# Altium PCB PCB.PcbDoc (part 1 of 4) (continued)
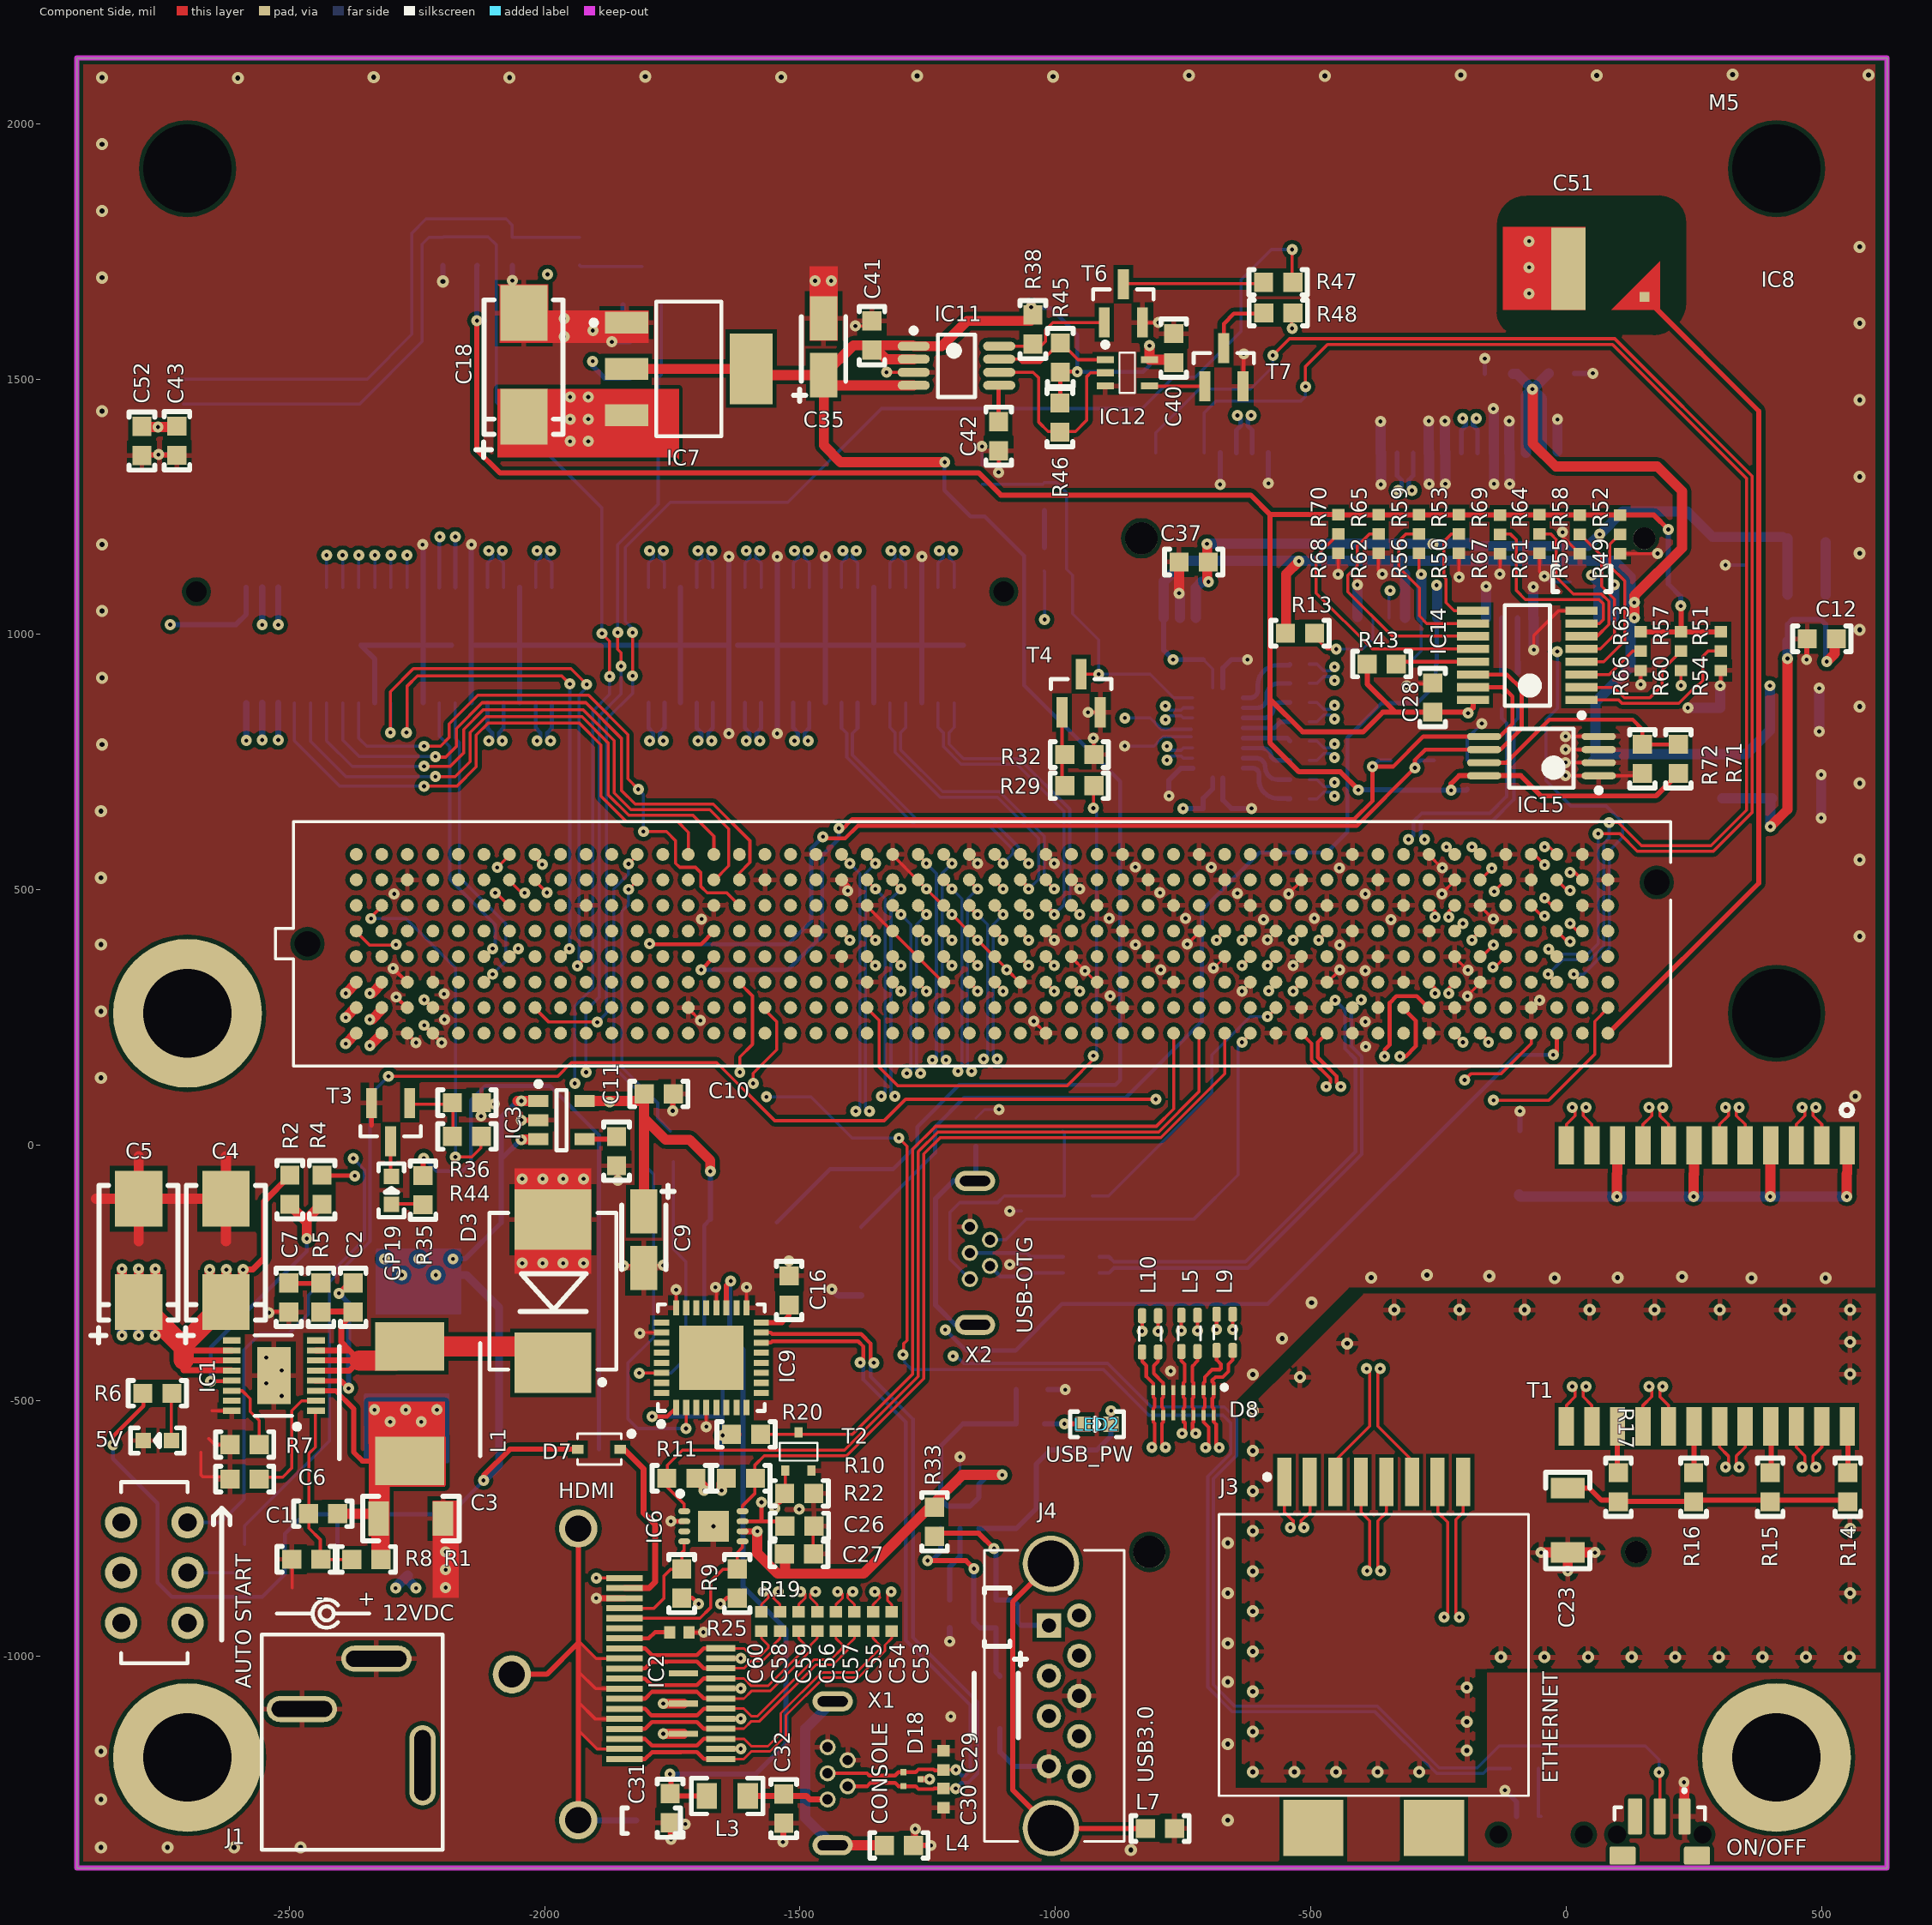
[diagram p0: Component Side view]
## Components (designator, comment, footprint, x,y, rotation, side; value= is the part's Value field where it differs from the comment) (continued)
HDMI "Molex-04765-1000" CON-Molex-04765-1000 -1953.78,-1035.67 r270 top
IC1 "LT3976EMSE#PBF" LT3976EMSE -2529.72,-450.79 r180 top
IC2 "TPD8S009" SON-15 -1691.55,-1092.84 r270 top
IC3 "LP2992AIM5-1.8" SOT23-5N -1966.73,49.21 r0 top
IC4 "LM3671MF-1.5" SOT23-5N 470.28,1032.48 r90 bottom
IC5 "AP1117E33G-13" SOT223 179.13,768.11 r270 bottom
IC6 "PCA9517ATP" PCA9517ATP -1669.55,-745.84 r270 top
IC7 "AP1117E33G-13" SOT223 -1717.64,1519.84 r270 top
IC8 "SEAM-50-02.0-S-08-2-A-K-TR" Nvidia-TX1-SoM 411.22,259.45 r0 top locked
IC9 "FT232RQ" QFN-32 -1673.55,-415.84 r90 top
IC10 "NCP380HSNAJAAT1G" TSOP-6 -1187.2,-706.69 r270 bottom
IC11 "LM3881" MSOP-8 -1193.89,1525.95 r0 top
IC12 "SN74LVC1G86DCKR" SC70-5 -902.55,1537.76 r0 top
IC13 "CBTL02042ABQ" DHVQFN20 -682.28,805.91 r180 bottom
IC14 "TCA9554ADBQR" DBQ0016A -76.38,959.06 r180 top
IC15 "RM24C128DS-LTAI-B" TSSOP-8 -48.82,761.81 r180 top
J1 "WE_694106402002" WE_694106402002 -2553.78,-957.8 r180 top
J2 "QSE-040-01-L-D-A" QSE-040-01-L-D-A -1891.3,978.9 r0 bottom locked
J3 "WE_634108149621" WE_634108149621 -552.16,-659.08 r0 top
J4 "WE_692121430000" WE_692121430000 -953.78,-1077.8 r270 top
J5 "Molex_67910-5700" T_Molex_67910-5700 -831.89,1188.19 r180 bottom
J6 "653104131822" WE_653104131822 -2801.95,1426.05 r270 bottom
L1 "IHLP2525CZER3R3M01" IHLP-2525CZ-01 -2263.78,-505.71 r270 top
L2 "BLM18SG121TN1D" 0603#2 -1791.34,-1322.05 r0 bottom
L3 "742792022" 0805 -1682.55,-1273.84 r0 top
L4 "BLM18SG121TN1D" 0603#1 -1306.45,-1370.54 r180 top
L5 "DLW21SN900SQ2" DLW21SN900SQ2 -737.78,-368.13 r270 top
L6 "BLM18EG221SN1D" 0603#2 -1114.17,-923.62 r270 bottom
L7 "BLM18PG330SN1D" 0603#1 -795.28,-1337.4 r180 top
L8 "LQH3NPN2R2NM0L" LQH3NPN2R2NM 474.21,1193.9 r180 bottom
L9 "DLW21SN900SQ2" DLW21SN900SQ2 -668.78,-366.13 r270 top
L10 "DLW21SN900SQ2" DLW21SN900SQ2 -814.78,-369.13 r90 top
L11 "DLW21SN900SQ2" DLW21SN900SQ2 -949.78,-234.13 r180 bottom
L12 "BLM18PG330SN1D" 0603#1 -1154.33,29.92 r270 bottom
L13 "DLW21SN900SQ2" DLW21SN900SQ2 -110.78,889.87 r90 bottom
LED2 "KPT-1608EC" LED0603 -918.78,-546.13 r0 top
M1 "9774110360" WE_9774110360#1 -2699.02,-1198.31 r180 bottom
M2 "9774110360" WE_9774110360#2 -2699.02,1911.92 r180 bottom
M3 "9774110360" WE_9774110360#2 411.22,1911.91 r180 bottom
M4 "9774110360" WE_9774110360#1 411.22,-1198.31 r180 bottom
M5 "Jetson TX1 SoM" Nvidia-TX1-Model -2699.02,1911.92 r0 top
M6 "9774030360" M3-3mm#1 -2699.02,258.38 r180 bottom
M7 "9774030360" M3-3mm#2 411.22,258.38 r180 bottom
ON/OFF "TL3340AF160QG" TL3340AF160QG 182.87,-1349.21 r0 top (schematic designator On/Off)
PCI/SATA "KPT-1608SGC" LED0603 -1020.47,1272.05 r90 bottom
R1 "1M" 0603#1 -2348.78,-810.71 r180 top
R2 "0R" 0603#1 -2498.55,-86.84 r90 top
R3 "4k7" 0603#1 -1805.26,1501.97 r180 bottom
R4 "0R" 0603#1 -2435.55,-86.84 r90 top
R5 "2R" 0603#1 -2437.67,-297.84 r270 top
R6 "470R" 0603#1 -2757.87,-485.43 r180 top
R7 "54k9" 0603#1 -2587.01,-585.77 r0 top
R8 "316k" 0603#1 -2466.54,-810.41 r0 top
R9 "10k" 0603#1 -1731.5,-857.97 r270 top
R10 "10k" 0603#1 -1615.65,-651.84 r180 top
R11 "10k" 0603#1 -1732.34,-651.84 r0 top
R12 "0R" 0603#1 -1143.9,1312.99 r270 bottom
R13 "47k" 0603#1 -521.26,1002.36 r180 top
R14 "75R" 0603#1 550.98,-669.58 r90 top
R15 "75R" 0603#1 398.99,-669.58 r90 top
R16 "75R" 0603#1 248.99,-669.58 r90 top
R17 "75R" 0603#1 101.99,-669.58 r90 top
R18 "470R" 0603#2 -1049.35,-545.28 r0 bottom
R19 "10k" 0603#1 -1623.07,-857.97 r270 top
R20 "4k7" 0603#1 -1605.55,-565.84 r180 top
R21 "10k" 0603#1 -1994.29,1749.94 r270 bottom
R22 "4k7" 0603#1 -1501.69,-681.4 r180 top
R23 "100k" 0603#1 -1802.52,1572.92 r0 bottom
R24 "0R" 0603#1 -2587.01,-809.06 r90 bottom
R25 "10k" 0402 -1736.22,-953.15 r180 top
R26 "2k2" 0603#1 -259.45,724.8 r270 bottom
R27 "13k" 0603#1 -1206.89,-917.34 r90 bottom
R28 "0R" 0603#1 -82.83,-1217.38 r180 bottom
R29 "22R" 0603#1 -953.28,703.87 r180 top
R30 "100R" 0603#1 -1931.3,1750 r90 bottom
R31 "330R" 0603#1 -1021.85,1151.57 r270 bottom
R32 "10k" 0603#1 -953.28,764.87 r180 top
R33 "0R" 0603#1 -1236.61,-737.01 r90 top
R34 "10k" 0603#1 -2132.09,1749.94 r270 bottom
R35 "330R" 0603#1 -2237.87,-87.83 r90 top
R36 "10k" 0603#1 -2152.01,83.42 r180 top
R37 "0R" 0603#1 -955.28,-99.13 r0 bottom
R38 "10k" 0603#1 -1044.09,1596.85 r90 top
R39 "10k" 0603#1 -993.83,1056.59 r180 bottom
R40 "22R" 0603#2 -1747.94,-4.93 r270 bottom
R41 "22R" 0603#1 -1808.66,10.63 r90 bottom
R42 "2k2" 0603#1 -344.09,724.8 r270 bottom
R43 "2k2" 0603#1 -361.42,942.13 r180 top
R44 "0R" 0603#1 -2152.01,17.42 r180 top
R45 "10k" 0603#1 -990.6,1542.16 r270 top
R46 "10k" 0603#1 -991.32,1424.57 r90 top
R47 "100R" 0603#1 -563.97,1689.34 r0 top
R48 "100R" 0603#1 -563.76,1629.19 r0 top
R49 "2k2" 0402 105.12,1214.96 r90 top
R50 "2k2" 0402 -210.24,1215.35 r90 top
R51 "2k2" 0402 302.16,986.22 r270 top
R52 "2k2" 0402 105.12,1177.17 r270 top
R53 "2k2" 0402 -210.24,1177.56 r270 top
R54 "0R" 0402 302.16,948.31 r90 top
R55 "2k2" 0402 25.98,1214.96 r90 top
R56 "2k2" 0402 -288.58,1215.35 r90 top
R57 "2k2" 0402 224.41,986.22 r270 top
R58 "2k2" 0402 25.98,1177.17 r270 top
R59 "2k2" 0402 -288.58,1177.56 r270 top
R60 "0R" 0402 224.41,948.31 r90 top
R61 "2k2" 0402 -52.36,1215.35 r90 top
R62 "2k2" 0402 -367.32,1215.35 r90 top
R63 "2k2" 0402 145.67,986.22 r270 top
R64 "2k2" 0402 -52.36,1177.56 r270 top
R65 "2k2" 0402 -367.32,1177.56 r270 top
R66 "0R" 0402 145.67,948.31 r90 top
R67 "2k2" 0402 -129.92,1214.96 r90 top
R68 "2k2" 0402 -446.46,1215.35 r90 top
R69 "2k2" 0402 -129.92,1177.17 r270 top
R70 "2k2" 0402 -446.46,1177.56 r270 top
R71 "0R" 0603#1 219.29,756.31 r270 top
R72 "0R" 0603#1 148.82,756.3 r90 top
REC "TL3340AF160QG" TL3340AF160QG -49.41,-1349.21 r180 bottom
T1 "749020010A" Wurth-749020010A 550,0 r180 top locked
T2 "BSS138PW" SC70-3 -1503.07,-599.38 r90 top
T3 "PMV16XN" SOT-23 -2301.38,45.28 r270 top
T4 "PMV16XN" SOT-23 -949.78,884.87 r90 top
T5 "PMV16XN" SOT-23 -1809.25,1683.07 r90 bottom
T6 "BSS138AKA" SOT-23 -867.12,1648 r90 top
T7 "BSS138AKA" SOT-23 -670.55,1523.16 r90 top
TP1 "" TP-R-2#1 -2269.55,-811.84 r180 bottom
TP2 "" TP-R-2#1 -2405.55,-811.84 r180 bottom
TP3 "" TP-R-2#1 -1674.55,-145.84 r180 bottom
TP4 "" TP-R-2#1 -1545.55,-145.84 r180 bottom
TP5 "" TP-R-2#1 -1380.55,-145.84 r180 bottom
TP6 "" TP-R-2#1 -1893.55,-594.84 r180 bottom
TP9 "" TP-R-2#1 -1527.31,-953.6 r180 bottom
TP12 "" TP-R-2#1 -985.55,27.16 r270 bottom
TP13 "" TP-R-2#1 -642.55,27.16 r270 bottom
TP14 "" TP-R-2#2 -1380.55,-293.84 r90 top
X1 "USB3106-30-0230-A" USB3106 -1446.06,-1229.33 r90 top
X2 "USB3106-30-0230-A" USB3106 -1167.52,-210.63 r90 top

## Footprints (in the part's own frame and the unit in brackets; to place one, negate y for a bottom-side part, rotate by r counter-clockwise, add the part's x,y. Pads: shape width x height; smd on the part's side, far side on the other; paste and mask are expansions set on the pad)
0402 [mm]
  rect 0.57x0.62 smd: 1(-0.48,0) 2(0.48,0)
  body extent -0.55,-0.3 0.55,0.3, height 0.5
0603#1 [mm]
  rect 0.95x0.95 smd: 1(-0.725,0) 2(0.725,0)
  silkscreen extent -1.45,-0.64 1.45,0.64, body extent -0.82,-0.41 0.82,0.41, height 0.46
0603#2 [mm]
  rect 0.95x0.95 smd: 1(0.725,0) 2(-0.725,0)
  body extent -0.82,-0.41 0.82,0.41, height 0.46
0805 [mil]
  rect 40x50 smd: 1(0,0) 2(80,0)
  silkscreen extent -30,-35 110,35, body extent 0,-23 79,25, height 37
1206 [mm]
  rect 1.016x1.7 smd: 1(0,0) 2(3.2,0)
  silkscreen extent -0.8,-1.1 4,1.1, body extent -0.48,-0.92 3.72,0.88, height 0.95
CON-Molex-04765-1000 [mm]
  rect 0.3x1.8 smd: 1(4.21,2.8) 2(3.71,2.8) 3(3.21,2.8) 4(2.71,2.8) 5(2.21,2.8) 6(1.71,2.8) 7(1.21,2.8) 8(0.71,2.8) 9(0.21,2.8) 10(-0.29,2.8) 11(-0.79,2.8) 12(-1.29,2.8) 13(-1.79,2.8) 14(-2.29,2.8) 15(-2.79,2.8) 16(-3.29,2.8) 17(-3.79,2.8) 18(-4.29,2.8) 19(-4.79,2.8)
  round 1.9 hole 1.3: S(-7.25,0.5) S(0,-2.8) S(7.25,0.5)
  body extent -8.75,-4.46 8.75,3.49, height 9.56
DBQ0016A [mm]
  rect 1.6x0.41 smd: 1(-2.7,2.222) 2(-2.7,1.587) 3(-2.7,0.952) 4(-2.7,0.317) 5(-2.7,-0.318) 6(-2.7,-0.953) 7(-2.7,-1.588) 8(-2.7,-2.223) 9(2.7,-2.222) 10(2.7,-1.587) 11(2.7,-0.952) 12(2.7,-0.317) 13(2.7,0.318) 14(2.7,0.953) 15(2.7,1.588) 16(2.7,2.223)
  silkscreen extent -2.83,-2.5 1.13,3.1, body extent -2,-2.5 2,2.5, height 1.75
DHVQFN20 [mm] "QFN, 20-Leads, Body 2,50x4,50mm, Pitch 0,50mm, Thermal Pad 1,00x3,00mm, IPC Medium Density"
  oval 0.3x0.8 smd: 1(0.25,-2.25) 10(0.25,2.25) 11(-0.25,2.25) 20(-0.25,-2.25)
  oval 0.8x0.3 smd: 2(1.25,-1.75) 3(1.25,-1.25) 4(1.25,-0.75) 5(1.25,-0.25) 6(1.25,0.25) 7(1.25,0.75) 8(1.25,1.25) 9(1.25,1.75) 12(-1.25,1.75) 13(-1.25,1.25) 14(-1.25,0.75) 15(-1.25,0.25) 16(-1.25,-0.25) 17(-1.25,-0.75) 18(-1.25,-1.25) 19(-1.25,-1.75)
  rect 1x3 smd: 21(0,0)
  silkscreen extent -1.45,-2.97 2.05,2.45, body extent -1.3,-2.3 1.3,2.3, height 1
DLW21SN900SQ2 [mm]
  rrect50% 0.75x0.42 smd: 1(-0.9,0.4) 2(-0.9,-0.4) 3(0.9,-0.4) 4(0.9,0.4)
  silkscreen extent -0.34,-0.55 0.34,0.55, body extent -1,-0.6 1,0.6, height 1.2
DO-214AA [mm]
  rect 2.16x2.26 smd: A(2.45,0) C(-2.45,0)
  silkscreen extent -3.37,1.63 -3.03,1.97, body extent -2.75,-1.95 2.75,1.95, height 2.45
Fuse-MF-LSMF [mm]
  rect 2x5.3 smd: 1(-3.3,0) 2(3.3,0)
  silkscreen extent -4.5,-2.9 4.5,2.9, body extent -3.67,-2.56 3.67,2.56, height 0.6
IHLP-2525CZ-01 [mm]
  rect 2.4x3.43 smd: 1(-2.85,0) 2(2.85,0)
  silkscreen extent -3,-3.5 2.75,3.5, body extent -3.25,-3.25 3.25,3.25, height 3
JS202011CQN [mm]
  round 1.6 hole 0.9: 1(-2.5,-1.65) 2(0,-1.65) 3(2.5,-1.65) 4(-2.5,1.65) 5(0,1.65) 6(2.5,1.65)
  silkscreen extent -4.5,-1.65 4.5,1.65, body extent -4.5,-1.8 4.5,1.8, height 5.22
KEMET_A#1 [mm] "Kemet A size package. Low desity level"
  rect 2.2x1.35 smd: 1(-1.41,0) 2(1.41,0)
  silkscreen extent -2.71,-1.1 1.49,1.5, body extent -1.81,-0.9 1.59,0.9, height 1.81
KEMET_A#2 [mm] "Kemet A size package. Low desity level"
  rect 2.2x1.35 smd: 1(1.41,0) 2(-1.41,0)
  body extent -1.59,-0.9 1.81,0.9, height 1.81
KEMET_C [mm] "Kemet C size package. Low desity level"
  rect 2.77x2.35 smd: 1(-2.57,0) 2(2.57,0)
  silkscreen extent -4.6,-1.95 3.23,2.38, body extent -3.25,-1.73 3.05,1.77, height 2.81
LED0603 [mil]
  rect 30x30 smd: A(-27.5,0) K(27.5,0)
  silkscreen extent -52,-25 52,25, body extent -32,-16 32,16, height 43
LQH3NPN2R2NM [mm]
  rect 1.2x3 smd: 1(-1.2,0) 2(1.2,0)
  silkscreen extent -1.52,-1.78 1.52,1.78, body extent -1.52,-1.52 1.52,1.65, height 1.4
LT3976EMSE [mil]
  rect 35x12.01 smd: 1(-82.5,68.9) 2(-82.5,49.21) 3(-82.5,29.53) 4(-82.5,9.84) 8(-82.5,-68.9) 9(82.5,-68.9) 13(82.5,9.84) 14(82.5,29.53) 15(82.5,49.21) 16(82.5,68.9) SW(-82.5,-49.21) SW(-82.5,-29.53) SW(-82.5,-9.84) VIN(82.5,-49.21) VIN(82.5,-29.53) VIN(82.5,-9.84)
  rect 65x112.01 smd: GND(0,0)
  silkscreen extent -50,-79 38,105, body extent -65,-80 65,80, height 43
M3-3mm#1 [mm] "SMT Steel Spacer, M3 Thread Internal, 3mm"
  round 0 / inner round 0 / far side round 7.4 hole 4.4 unplated paste-403.566: 1(0,0)
  body extent -2.99,-3 2.99,2.98, height 3
M3-3mm#2 [mm] "SMT Steel Spacer, M3 Thread Internal, 3mm"
  round 7.4 / inner round 0 / far side round 0 hole 4.4 unplated paste-403.566: 1(0,0)
  body extent -2.99,-3 2.99,2.98, height 3
MSOP-8 [mm]
  oval 1.6x0.45 smd: 1(-2.125,0.975) 2(-2.125,0.325) 3(-2.125,-0.325) 4(-2.125,-0.975) 5(2.125,-0.975) 6(2.125,-0.325) 7(2.125,0.325) 8(2.125,0.975)
  silkscreen extent -2.25,-1.55 0.92,1.87, body extent -2.45,-1.52 2.45,1.48, height 1.15
Nvidia-TX1-Model [mil]
  body extent -157,-1811 3268,157, height 558
Nvidia-TX1-SoM [mm]
  round 0 hole 1.27: 0(-73.033,3.43) 0(-5.953,6.48)
  round 0.64 smd: A1(-70.609,-1.015) A2(-69.339,-1.015) A3(-68.069,-1.015) A4(-66.799,-1.015) A5(-65.529,-1.015) A6(-64.259,-1.015) A7(-62.989,-1.015) A8(-61.719,-1.015) A9(-60.449,-1.015) A10(-59.179,-1.015) A11(-57.909,-1.015) A12(-56.639,-1.015) A13(-55.369,-1.015) A14(-54.099,-1.015) A15(-52.829,-1.015) A16(-51.559,-1.015) A17(-50.289,-1.015) A18(-49.019,-1.015) A19(-47.749,-1.015) A20(-46.479,-1.015) A21(-45.209,-1.015) A22(-43.939,-1.015) A23(-42.669,-1.015) A24(-41.399,-1.015) A25(-40.129,-1.015) A26(-38.859,-1.015) A27(-37.589,-1.015) A28(-36.319,-1.015) A29(-35.049,-1.015) A30(-33.779,-1.015) A31(-32.509,-1.015) A32(-31.239,-1.015) A33(-29.969,-1.015) A34(-28.699,-1.015) A35(-27.429,-1.015) A36(-26.159,-1.015) A37(-24.889,-1.015) A38(-23.619,-1.015) A39(-22.349,-1.015) A40(-21.079,-1.015) A41(-19.809,-1.015) A42(-18.539,-1.015) A43(-17.269,-1.015) A44(-15.999,-1.015) A45(-14.729,-1.015) A46(-13.459,-1.015) A47(-12.189,-1.015) A48(-10.919,-1.015) A49(-9.649,-1.015) A50(-8.379,-1.015) B1(-70.609,0.255) B2(-69.339,0.255) B3(-68.069,0.255) B4(-66.799,0.255) B5(-65.529,0.255) B6(-64.259,0.255) B7(-62.989,0.255) B8(-61.719,0.255) B9(-60.449,0.255) B10(-59.179,0.255) B11(-57.909,0.255) B12(-56.639,0.255) B13(-55.369,0.255) B14(-54.099,0.255) B15(-52.829,0.255) B16(-51.559,0.255) B17(-50.289,0.255) B18(-49.019,0.255) B19(-47.749,0.255) B20(-46.479,0.255) B21(-45.209,0.255) B22(-43.939,0.255) B23(-42.669,0.255) B24(-41.399,0.255) B25(-40.129,0.255) B26(-38.859,0.255) B27(-37.589,0.255) B28(-36.319,0.255) B29(-35.049,0.255) B30(-33.779,0.255) B31(-32.509,0.255) B32(-31.239,0.255) B33(-29.969,0.255) B34(-28.699,0.255) B35(-27.429,0.255) B36(-26.159,0.255) B37(-24.889,0.255) B38(-23.619,0.255) B39(-22.349,0.255) B40(-21.079,0.255) B41(-19.809,0.255) B42(-18.539,0.255) B43(-17.269,0.255) B44(-15.999,0.255) B45(-14.729,0.255) B46(-13.459,0.255) B47(-12.189,0.255) B48(-10.919,0.255) B49(-9.649,0.255) B50(-8.379,0.255) C1(-70.609,1.525) C2(-69.339,1.525) C3(-68.069,1.525) C4(-66.799,1.525) C5(-65.529,1.525) C6(-64.259,1.525) C7(-62.989,1.525) C8(-61.719,1.525) C9(-60.449,1.525) C10(-59.179,1.525) C11(-57.909,1.525) C12(-56.639,1.525) C13(-55.369,1.525) C14(-54.099,1.525) C15(-52.829,1.525) C16(-51.559,1.525) C17(-50.289,1.525) C18(-49.019,1.525) C19(-47.749,1.525) C20(-46.479,1.525) C21(-45.209,1.525) C22(-43.939,1.525) C23(-42.669,1.525) C24(-41.399,1.525) C25(-40.129,1.525) C26(-38.859,1.525) C27(-37.589,1.525) C28(-36.319,1.525) C29(-35.049,1.525) C30(-33.779,1.525) C31(-32.509,1.525) C32(-31.239,1.525) C33(-29.969,1.525) C34(-28.699,1.525) C35(-27.429,1.525) C36(-26.159,1.525) C37(-24.889,1.525) C38(-23.619,1.525) C39(-22.349,1.525) C40(-21.079,1.525) C41(-19.809,1.525) C42(-18.539,1.525) C43(-17.269,1.525) C44(-15.999,1.525) C45(-14.729,1.525) C46(-13.459,1.525) C47(-12.189,1.525) C48(-10.919,1.525) C49(-9.649,1.525) C50(-8.379,1.525) D1(-70.609,2.795) D2(-69.339,2.795) D3(-68.069,2.795) D4(-66.799,2.795) D5(-65.529,2.795) D6(-64.259,2.795) D7(-62.989,2.795) D8(-61.719,2.795) D9(-60.449,2.795) D10(-59.179,2.795) D11(-57.909,2.795) D12(-56.639,2.795) D13(-55.369,2.795) D14(-54.099,2.795) D15(-52.829,2.795) D16(-51.559,2.795) D17(-50.289,2.795) D18(-49.019,2.795) D19(-47.749,2.795) D20(-46.479,2.795) D21(-45.209,2.795) D22(-43.939,2.795) D23(-42.669,2.795) D24(-41.399,2.795) D25(-40.129,2.795) D26(-38.859,2.795) D27(-37.589,2.795) D28(-36.319,2.795) D29(-35.049,2.795) D30(-33.779,2.795) D31(-32.509,2.795) D32(-31.239,2.795) D33(-29.969,2.795) D34(-28.699,2.795) D35(-27.429,2.795) D36(-26.159,2.795) D37(-24.889,2.795) D38(-23.619,2.795) D39(-22.349,2.795) D40(-21.079,2.795) D41(-19.809,2.795) D42(-18.539,2.795) D43(-17.269,2.795) D44(-15.999,2.795) D45(-14.729,2.795) D46(-13.459,2.795) D47(-12.189,2.795) D48(-10.919,2.795) D49(-9.649,2.795) D50(-8.379,2.795) E1(-70.609,4.065) E2(-69.339,4.065) E3(-68.069,4.065) E4(-66.799,4.065) E5(-65.529,4.065) E6(-64.259,4.065) E7(-62.989,4.065) E8(-61.719,4.065) E9(-60.449,4.065) E10(-59.179,4.065) E11(-57.909,4.065) E12(-56.639,4.065) E13(-55.369,4.065) E14(-54.099,4.065) E15(-52.829,4.065) E16(-51.559,4.065) E17(-50.289,4.065) E18(-49.019,4.065) E19(-47.749,4.065) E20(-46.479,4.065) E21(-45.209,4.065) E22(-43.939,4.065) E23(-42.669,4.065) E24(-41.399,4.065) E25(-40.129,4.065) E26(-38.859,4.065) E27(-37.589,4.065) E28(-36.319,4.065) E29(-35.049,4.065) E30(-33.779,4.065) E31(-32.509,4.065) E32(-31.239,4.065) E33(-29.969,4.065) E34(-28.699,4.065) E35(-27.429,4.065) E36(-26.159,4.065) E37(-24.889,4.065) E38(-23.619,4.065) E39(-22.349,4.065) E40(-21.079,4.065) E41(-19.809,4.065) E42(-18.539,4.065) E43(-17.269,4.065) E44(-15.999,4.065) E45(-14.729,4.065) E46(-13.459,4.065) E47(-12.189,4.065) E48(-10.919,4.065) E49(-9.649,4.065) E50(-8.379,4.065) F1(-70.609,5.335) F2(-69.339,5.335) F3(-68.069,5.335) F4(-66.799,5.335) F5(-65.529,5.335) F6(-64.259,5.335) F7(-62.989,5.335) F8(-61.719,5.335) F9(-60.449,5.335) F10(-59.179,5.335) F11(-57.909,5.335) F12(-56.639,5.335) F13(-55.369,5.335) F14(-54.099,5.335) F15(-52.829,5.335) F16(-51.559,5.335) F17(-50.289,5.335) F18(-49.019,5.335) F19(-47.749,5.335) F20(-46.479,5.335) F21(-45.209,5.335) F22(-43.939,5.335) F23(-42.669,5.335) F24(-41.399,5.335) F25(-40.129,5.335) F26(-38.859,5.335) F27(-37.589,5.335) F28(-36.319,5.335) F29(-35.049,5.335) F30(-33.779,5.335) F31(-32.509,5.335) F32(-31.239,5.335) F33(-29.969,5.335) F34(-28.699,5.335) F35(-27.429,5.335) F36(-26.159,5.335) F37(-24.889,5.335) F38(-23.619,5.335) F39(-22.349,5.335) F40(-21.079,5.335) F41(-19.809,5.335) F42(-18.539,5.335) F43(-17.269,5.335) F44(-15.999,5.335) F45(-14.729,5.335) F46(-13.459,5.335) F47(-12.189,5.335) F48(-10.919,5.335) F49(-9.649,5.335) F50(-8.379,5.335) G1(-70.609,6.605) G2(-69.339,6.605) G3(-68.069,6.605) G4(-66.799,6.605) G5(-65.529,6.605) G6(-64.259,6.605) G7(-62.989,6.605) G8(-61.719,6.605) G9(-60.449,6.605) G10(-59.179,6.605) G11(-57.909,6.605) G12(-56.639,6.605) G13(-55.369,6.605) G14(-54.099,6.605) G15(-52.829,6.605) G16(-51.559,6.605) G17(-50.289,6.605) G18(-49.019,6.605) G19(-47.749,6.605) G20(-46.479,6.605) G21(-45.209,6.605) G22(-43.939,6.605) G23(-42.669,6.605) G24(-41.399,6.605) G25(-40.129,6.605) G26(-38.859,6.605) G27(-37.589,6.605) G28(-36.319,6.605) G29(-35.049,6.605) G30(-33.779,6.605) G31(-32.509,6.605) G32(-31.239,6.605) G33(-29.969,6.605) G34(-28.699,6.605) G35(-27.429,6.605) G36(-26.159,6.605) G37(-24.889,6.605) G38(-23.619,6.605) G39(-22.349,6.605) G40(-21.079,6.605) G41(-19.809,6.605) G42(-18.539,6.605) G43(-17.269,6.605) G44(-15.999,6.605) G45(-14.729,6.605) G46(-13.459,6.605) G47(-12.189,6.605) G48(-10.919,6.605) G49(-9.649,6.605) G50(-8.379,6.605) H1(-70.609,7.875) H2(-69.339,7.875) H3(-68.069,7.875) H4(-66.799,7.875) H5(-65.529,7.875) H6(-64.259,7.875) H7(-62.989,7.875) H8(-61.719,7.875) H9(-60.449,7.875) H10(-59.179,7.875) H11(-57.909,7.875) H12(-56.639,7.875) H13(-55.369,7.875) H14(-54.099,7.875) H15(-52.829,7.875) H16(-51.559,7.875) H17(-50.289,7.875) H18(-49.019,7.875) H19(-47.749,7.875) H20(-46.479,7.875) H21(-45.209,7.875) H22(-43.939,7.875) H23(-42.669,7.875) H24(-41.399,7.875) H25(-40.129,7.875) H26(-38.859,7.875) H27(-37.589,7.875) H28(-36.319,7.875) H29(-35.049,7.875) H30(-33.779,7.875) H31(-32.509,7.875) H32(-31.239,7.875) H33(-29.969,7.875) H34(-28.699,7.875) H35(-27.429,7.875) H36(-26.159,7.875) H37(-24.889,7.875) H38(-23.619,7.875) H39(-22.349,7.875) H40(-21.079,7.875) H41(-19.809,7.875) H42(-18.539,7.875) H43(-17.269,7.875) H44(-15.999,7.875) H45(-14.729,7.875) H46(-13.459,7.875) H47(-12.189,7.875) H48(-10.919,7.875) H49(-9.649,7.875) H50(-8.379,7.875)
  silkscreen extent -74.62,-2.64 -5.25,9.5, body extent -74.61,-2.64 -5.24,9.5, height 5.54
PCA9517ATP [mm]
  oval 0.3x0.6 smd: 1(-0.75,-1.45) 2(-0.25,-1.45) 3(0.25,-1.45) 4(0.75,-1.45) 5(0.75,1.45) 6(0.25,1.45) 7(-0.25,1.45) 8(-0.75,1.45)
  rect 1.55x1.55 smd: 9(0,0)
  silkscreen extent -1.75,-1.78 -1.5,-1.53, body extent -1.05,-1.55 1.05,1.55, height 0.75
QFN-32 [mm] "QFN, 32-Leads, Body 5,00x5,00mm, Pitch 0,50mm, Thermal Pad 3,20x3,20mm, IPC Medium Density"
  rect 0.75x0.3 smd: 1(-2.475,1.75) 2(-2.475,1.25) 3(-2.475,0.75) 4(-2.475,0.25) 5(-2.475,-0.25) 6(-2.475,-0.75) 7(-2.475,-1.25) 8(-2.475,-1.75) 17(2.475,-1.75) 18(2.475,-1.25) 19(2.475,-0.75) 20(2.475,-0.25) 21(2.475,0.25) 22(2.475,0.75) 23(2.475,1.25) 24(2.475,1.75)
  rect 0.3x0.75 smd: 9(-1.75,-2.475) 10(-1.25,-2.475) 11(-0.75,-2.475) 12(-0.25,-2.475) 13(0.25,-2.475) 14(0.75,-2.475) 15(1.25,-2.475) 16(1.75,-2.475) 25(1.75,2.475) 26(1.25,2.475) 27(0.75,2.475) 28(0.25,2.475) 29(-0.25,2.475) 30(-0.75,2.475) 31(-1.25,2.475) 32(-1.75,2.475)
  rect 3.2x3.2 smd: 33(0,0)
  silkscreen extent -3.42,-2.65 2.65,2.65, body extent -2.5,-2.5 2.5,2.5, height 1
QSE-040-01-L-D-A [mm]
  round 0 hole 1.02: 0(-20.065,-2.665) 0(20.065,-2.665)
  rect 0.41x2.27 smd: 1(17.603,2.86) 2(17.603,-2.87) 3(16.803,2.86) 4(16.803,-2.87) 5(16.003,2.86) 6(16.003,-2.87) 7(15.203,2.86) 8(15.203,-2.87) 9(14.403,2.86) 10(14.403,-2.87) 11(13.603,2.86) 12(13.603,-2.87) 13(12.803,2.86) 14(12.803,-2.87) 15(12.003,2.86) 16(12.003,-2.87) 17(11.203,2.86) 18(11.203,-2.87) 19(10.403,2.86) 20(10.403,-2.87) 21(9.603,2.86) 22(9.603,-2.87) 23(8.803,2.86) 24(8.803,-2.87) 25(8.003,2.86) 26(8.003,-2.87) 27(7.203,2.86) 28(7.203,-2.87) 29(6.403,2.86) 30(6.403,-2.87) 31(5.603,2.86) 32(5.603,-2.87) 33(4.803,2.86) 34(4.803,-2.87) 35(4.003,2.86) 36(4.003,-2.87) 37(3.203,2.86) 38(3.203,-2.87) 39(2.403,2.86) 40(2.403,-2.87) 41(-2.4,2.86) 42(-2.4,-2.87) 43(-3.2,2.86) 44(-3.2,-2.87) 45(-4,2.86) 46(-4,-2.87) 47(-4.8,2.86) 48(-4.8,-2.87) 49(-5.6,2.86) 50(-5.6,-2.87) 51(-6.4,2.86) 52(-6.4,-2.87) 53(-7.2,2.86) 54(-7.2,-2.87) 55(-8,2.86) 56(-8,-2.87) 57(-8.8,2.86) 58(-8.8,-2.87) 59(-9.6,2.86) 60(-9.6,-2.87) 61(-10.4,2.86) 62(-10.4,-2.87) 63(-11.2,2.86) 64(-11.2,-2.87) 65(-12,2.86) 66(-12,-2.87) 67(-12.8,2.86) 68(-12.8,-2.87) 69(-13.6,2.86) 70(-13.6,-2.87) 71(-14.4,2.86) 72(-14.4,-2.87) 73(-15.2,2.86) 74(-15.2,-2.87) 75(-16,2.86) 76(-16,-2.87) 77(-16.8,2.86) 78(-16.8,-2.87) 79(-17.6,2.86) 80(-17.6,-2.87)
  rect 2.54x0.43 smd: 81(18.069,0.002) 84(1.942,0.002) 85(-1.942,0.001) 88(-18.069,0.001)
  rect 4.7x0.43 smd: 82(13.178,0.002) 83(6.832,0.001) 86(-6.832,0.001) 87(-13.178,0.001)
  silkscreen extent -20.86,-4.2 20.86,4.2, body extent -20.63,-3.76 20.64,3.74, height 3.23
SC70-3 [mm] "SC70, 3-Leads, Pitch 0,65mm, EIAJ SC-88a"
  rect 0.5x0.4 smd: 1(-0.95,0.65) 2(-0.95,-0.65) 3(0.95,0)
  silkscreen extent -0.46,-0.94 0.43,0.94, body extent -1.15,-1.08 1.15,1.02, height 1
SC70-5 [mm] "SC70, 5-Leads, Pitch 0,65mm, EIAJ SC-88a"
  rect 0.85x0.35 smd: 1(0,0) 2(0,-0.65) 3(0,-1.3) 4(2.2,-1.3) 5(2.2,0)
  silkscreen extent -0.12,-1.65 1.47,0.87, body extent 0.07,-1.64 2.17,0.36, height 0.96
SMC-403-03 [mm] "SMC-403-03 package"
  rect 3x3.81 smd: A(-3.56,0) C(3.56,0)
  silkscreen extent -3.9,-3.15 4.65,3.15, body extent -4.13,-3.13 3.87,2.82, height 2.2
SOD-323 [mm]
  rect 0.45x0.59 smd: A(0,-1.055) C(0,1.055)
  silkscreen extent -0.89,-1.05 0.76,1.74, body extent -0.63,-1.25 0.63,1.25, height 1
SON-15 [mm]
  rect 0.3x1.45 smd: 1(2.75,0.925) 2(2.25,0.925) 3(1.75,0.925) 4(1.25,0.925) 5(0.75,0.925) 6(0.25,0.925) 7(-0.25,0.925) 8(-0.75,0.925) 9(-1.25,0.925) 10(-1.75,0.925) 11(-2.25,0.925) 12(-2.75,0.925) 13(1.5,-0.925) 14(0,-0.925) 15(-1.5,-0.925)
  body extent -3.3,-1.3 3.3,1.3, height 0.8
SOT23-5N [mm] "SOT23, 5-Leads, Body 2,90x2,70mm, Pitch 0,95mm, IPC Medium Density"
  rect 1x0.6 smd: 1(-1.15,0.95) 2(-1.15,0) 3(-1.15,-0.95) 4(1.15,-0.95) 6(1.15,0.95)
  silkscreen extent -1.27,-1.5 0.25,1.92, body extent -0.85,-1.5 0.85,1.5, height 1.45
SOT223 [mm] "SOT-223/SC-73; 4 Leads; Body 6.7 x 7.3 mm, inc. leads (LxW max)"
  rect 1.1x2.15 smd: 1(-2.3,-3.1) 2(0,-3.1) 3(2.3,-3.1)
  rect 3.5x2.15 smd: 4(0,3.1)
  silkscreen extent -3.35,-4.85 3.35,1.63, body extent -3.25,-3.48 3.25,3.48, height 1.61
SOT-3 [mm]
  rect 0.3x0.3 smd: 1(-0.35,-0.425) 2(0.35,-0.425) 3(0,0.425)
  body extent -0.51,-0.38 0.51,0.38, height 0.51
SOT-23 [mm] "SOT23, 3-Leads, Body 2.90x2.45mm, Pitch 0.95mm, IPC Medium Density"
  rect 1.5x0.55 smd: 1(-0.95,0.95) 2(-0.95,-0.95) 3(0.95,0)
  silkscreen extent 0.2,-1.5 0.7,1.5, body extent -1.13,-1.5 1.13,1.5, height 1.21
T_Molex_67910-5700 [mm] "Molex miniPCIE series connector with latch"
  rrect12% 0.6x2 smd: 1(-0.7,4.1) 2(-1.1,-4.1) 3(-1.5,4.1) 4(-1.9,-4.1) 5(-2.3,4.1) 6(-2.7,-4.1) 7(-3.1,4.1) 8(-3.5,-4.1) 9(-3.9,4.1) 10(-4.3,-4.1) 11(-4.7,4.1) 12(-5.1,-4.1) 13(-5.5,4.1) 14(-5.9,-4.1) 15(-6.3,4.1) 16(-6.7,-4.1) 17(-10.3,4.1) 18(-10.7,-4.1) 19(-11.1,4.1) 20(-11.5,-4.1) 21(-11.9,4.1) 22(-12.3,-4.1) 23(-12.7,4.1) 24(-13.1,-4.1) 25(-13.5,4.1) 26(-13.9,-4.1) 27(-14.3,4.1) 28(-14.7,-4.1) 29(-15.1,4.1) 30(-15.5,-4.1) 31(-15.9,4.1) 32(-16.3,-4.1) 33(-16.7,4.1) 34(-17.1,-4.1) 35(-17.5,4.1) 36(-17.9,-4.1) 37(-18.3,4.1) 38(-18.7,-4.1) 39(-19.1,4.1) 40(-19.5,-4.1) 41(-19.9,4.1) 42(-20.3,-4.1) 43(-20.7,4.1) 44(-21.1,-4.1) 45(-21.5,4.1) 46(-21.9,-4.1) 47(-22.3,4.1) 48(-22.7,-4.1) 49(-23.1,4.1) 50(-23.5,-4.1) 51(-23.9,4.1) 52(-24.3,-4.1)
  rrect12% 2.3x3.2 smd: x(-27.15,3.5) x(2.15,3.5)
  round 1.1 hole 1.1 unplated: x(-25,0) x(-24.6,-50.4)
  round 1.6 hole 1.6 unplated: x(-0.4,-50.4) x(0,0)
  rrect12% 4.8x3 smd: ""(-24.6,-53.55) ""(-24.6,-47.25) ""(-0.4,-53.55) ""(-0.4,-47.25)
  body extent -27.5,-55 2.5,5.1, height 6.56
TL3340AF160QG [mm] "SWITCH TACT SUB MINI 160GF SMD"
  rrect20% 0.6x1.8 smd: 1(1.225,0.9) 2(0,0.9)
  rrect20% 0.7x1.8 smd: 3(-1.225,0.9)
  round 0.5 hole 0.9: 10(2.125,0) 11(-2.125,0)
  rrect20% 1.3x0.9 smd: SH1(-1.85,-1.05) SH2(1.85,-1.05)
  silkscreen extent -2.25,0.75 2.25,2.22, body extent -2.25,-2.05 2.25,1.35, height 3.3
TP-R-2#1 [mm]
  round 2 smd: 1(0,0)
TP-R-2#2 [mm]
  round 2 smd far side: 1(0,0)
TPD6E05U06_PASS [mm]
  rect 0.2x0.5 smd: 5(0.5,-0.625) 8(1.5,-0.625) 8(1.5,0.625) 9(1,-0.625) 9(1,0.625) 10(0.5,0.625) 11(0,0.625) 11(0,-0.625) 12(-0.5,0.625) 12(-0.5,-0.625) 13(-1,-0.625) 13(-1,0.625) 14(-1.5,-0.625) 14(-1.5,0.625)
  silkscreen extent -2.13,-0.86 -1.93,-0.66, body extent -1.88,-0.63 1.93,0.64, height 0.6
TSOP-6 [mm]
  oval 1.6x0.5 smd: 1(-1.1,0.95) 2(-1.1,0) 3(-1.1,-0.95) 4(1.1,-0.95) 5(1.1,0) 6(1.1,0.95)
  silkscreen extent -1.22,-1.55 0.1,1.87, body extent -0.85,-1.55 0.85,1.55, height 1.1
TSSOP-8 [mm]
  oval 1.7x0.35 smd: 1(-2.85,0.975) 2(-2.85,0.325) 3(-2.85,-0.325) 4(-2.85,-0.975) 5(2.85,-0.975) 6(2.85,-0.325) 7(2.85,0.325) 8(2.85,0.975)
  silkscreen extent -2.97,-1.36 1.6,1.82, body extent -3.2,-1.5 3.2,1.5, height 1.21
USB3106 [mm]
  round 0.8 hole 0.5: 1(-1.3,0) 2(-0.65,-1) 3(0,0) 4(0.65,-1) 5(1.3,0)
  oval 1x2 hole 0.5 slot 1.5 at 90 deg: S(-3.575,-0.254) S(3.575,-0.254)
  body extent -3.98,-1.65 3.98,1.28, height 5.62
WE_9774110360#1 [mm] "Standoffs & Spacers WA-SMSI SMD Steel Spacer M3 6mm"
  round 0 / inner round 0 / far side round 7.4 hole 4.4 unplated paste-403.566: 1(0,0)
  body extent -2.99,-3 2.99,2.98, height 11
WE_9774110360#2 [mm] "Standoffs & Spacers WA-SMSI SMD Steel Spacer M3 6mm"
  round 7.4 / inner round 0 / far side round 0 hole 4.4 unplated paste-403.566: 1(0,0)
  body extent -2.99,-3 2.99,2.98, height 11
WE_634108149621 [mm] "WR-MJ_Modular Jack_Top Entry_8P8C T&R with Mylar for Pick & Place"
  rect 0.7x2.4 smd: 1(0,0) 2(1.27,0) 3(2.54,0) 4(3.81,0) 5(5.08,0) 6(6.35,0) 7(7.62,0) 8(8.89,0)
  rect 3x2.8 smd: Z1(7.445,-17.2) Z2(1.445,-17.2)
  silkscreen extent -3.26,-15.6 12.15,0.35, body extent -3.25,-18.01 12.15,0.49, height 13.34
WE_653104131822 [mm] "1.25mm SMT Male Horizontal Shrouded Header, 4p"
  rect 0.81x1.6 smd: 1(1.875,-2.8) 2(0.625,-2.8) 3(-0.625,-2.8) 4(-1.875,-2.8)
  rect 2.1x3 smd: M1(4.425,0.1) M2(-4.425,0.1)
  silkscreen extent -4.86,-2.1 4.85,2.1, body extent -4.87,-3.3 4.88,2.1, height 3.43
WE_692121430000 [mm] "Receptacle Through hole"
  rect 1.2x1.2 hole 0.7: 1(-3.5,-1.5)
  round 1.2 hole 0.7: 2(-1,-1.5) 3(1,-1.5) 4(3.5,-1.5) 5(4,0) 6(2,0) 7(0,0) 8(-2,0) 9(-4,0)
  round 2.8 hole 2.3: Z1(-6.57,-1.4) Z1(6.57,-1.4)
  silkscreen extent -7.24,-4.71 7.24,2.24, body extent -7.8,-4.71 7.8,2.24, height 15.01
WE_694106402002 [mm] "WR-DC_DC Power Jack_Vertical_THT WR-DC_DC Power Jack_Vertical_THT"
  oval 1.3x4 hole 0.8 slot 3.5 at 90 deg: 1(-8,6.5)
  oval 3.5x1.3 hole 0.8 slot 3 at 0 deg: 2(-5.7,1.2) 3(-2,3.7)
  silkscreen extent -9,0 0,10.7, body extent -9,0 0,10.7, height 14
Wurth-749020010A [mm]
  rect 0.76x1.905 smd: 1(0,0) 2(1.27,0) 3(2.54,0) 4(3.81,0) 5(5.08,0) 6(6.35,0) 7(7.62,0) 8(8.89,0) 9(10.16,0) 10(11.43,0) 11(12.7,0) 12(13.97,0) 13(13.97,13.975) 14(12.7,13.975) 15(11.43,13.975) 16(10.16,13.975) 17(8.89,13.975) 18(7.62,13.975) 19(6.35,13.975) 20(5.08,13.975) 21(3.81,13.975) 22(2.54,13.975) 23(1.27,13.975) 24(0,13.975)
  body extent -0.64,1.14 14.48,12.95, height 10
XH414HG-IV01E [mm]
  rect 0.5x0.5 smd: 1(-0.635,-0.762)
  rect 4.1x1.7 smd: 2(-2.032,-4.55)
  Component Side region: -2.4,0 0,0 0,-2.4
  body extent -5.24,-5.24 -0.13,-0.13, height 1.85

## Part data
5V GP19 PCI/SATA: library part LED_G, "LED Green 0603 case"
"AUTO START": library part DPDT, "Sub-Miniature Slide Switch"
C1 C44 C45: library part C_10p_0603, "MLCC SMT Capacitor 10pF 0603"
C2: library part C_470n_0603, "MLCC SMT Capacitor 470nF 0603"
C3: library part C_47u_1206, "MLCC SMT Capacitor 47uF 1206"
C4 C5: library part C_22u_KEMET_C, "Tantalum SMT Capacitor 22uF Case KEMET_C"
C6 C11 C32 C46 C47 C48: library part C_10n_0603, "MLCC SMT Capacitor 10nF 0603"
C7: library part C_470p_0603, "MLCC SMT Capacitor 470pF 0603"
C8 C17 C35: library part C_10u_KEMET_A, "Tantalum SMT Capacitor 10uF Case KEMET_A"
C9: library part C_4u7_KEMET_A, "Tantalum SMT Capacitor 4u7F Case KEMET_A"
C10 C16 C26 C27 C28 C31 C40 C41 C43 C61: library part C_100n_0603, "MLCC SMT Capacitor 100nF 0603"
C12: library part C_4u7_0603, "MLCC SMT Capacitor 4u7F 0603"
C13 C14 C36 C37 C38 C39 C52: library part C_10u_0603, "MLCC SMT Capacitor 10uF 0603"
C15: library part C_10n_1206, "MLCC SMT Capacitor 10nF 1206"
C18: library part C_10u_KEMET_C, "Tantalum SMT Capacitor 10uF Case KEMET_C"
C19 C20 C21 C22 C24 C25 C49 C50 C53 C54 C55 C56 C57 C58 C59 C60: library part C_100n_0402, "MLCC SMT Capacitor 100nF 0402"
C23: library part C_1n_1206, "MLCC SMT Capacitor 1nF 1206"
C29 C30: library part C_47p_0402, "MLCC SMT Capacitor 47pF 0402"
C33: library part C_100u_KEMET_A, "Tantalum SMT Capacitor 100uF Case KEMET_A"
C34 C42: library part C_1u_0603, "MLCC SMT Capacitor 1uF 0603"
C51: library part XH414HG-IV01E, "CAP 80MF 3.3V SURFACE MOUNT"
D1 D2 D18: library part TPD2E009, "ESD Suppressors 2-CH"
D3: "ON SEMICONDUCTOR  MBRS540T3G  Rectifier Diode, Single, 40 V, 5 A, 500 mV, 190 A, 150 °C"
D4: library part SMBJ20CA, "DIODE, TVS, 20V, 600W"
D7: "Diode small signal"
D8: library part TPD6E05U06_PASS, "ESD Suppressors 6-CH Pass through layout"
F1: library part MF-LSMF300X-2, "3.0A, 6V, PTC Resettabe Fuse"
HDMI: library part CON-Molex-47659-1000, "HDMI connector vertical"
IC1: library part LT3976, "LINEAR TECHNOLOGY  LT3976EMSE#PBF  DC-DC CONVERTER, 2MHZ, 5A, MSOP-16"
IC2: "8-Channel ESD Protection for DisplayPort and HDMI"
IC3: "LDO 1.8V 250mA"
IC4: library part LM3671, "DC/DC Buck Converter"
IC5 IC7: "IC, LDO, REG, 3.3V, SOT223"
IC6: "I2C BUS REPEATER W/ LEVEL TRANS, HWSON-8"
IC8: library part Nvidia-TX1-SoM, "TX1 module (board connector)"
IC9: "USB to serial UART interface"
IC10: "POWER LOAD SWITCH, HIGH SIDE"
IC11: "TEXAS INSTRUMENTS  LM3881MME/NOPB  Power Sequencer, 3-Monitors, 2.7V-5.5Vin,VSSOP-8"
IC12: library part SN74LVC1G86, "2 input XOR gate"
IC13: library part CBTL02042A, "IC MUX/DEMUX 2:1 PCI 20DHVQFN"
IC14: library part TCA9554A, "Remote 8bit I2C SMBus I/O expander"
IC15: library part RM24C128DS, "EEPROM with UID and OTP registers."
J1: "WURTH ELEKTRONIK 	694106402002  POWER ENTRY, JACK, 2MM, VERTICAL THT, 3A"
J2: "SAMTEC 	QSE-040-01-L-D-A  Stacking Board Connector, Dual Row, QSE Series, Receptacle, 0.8 mm, 80 Contacts, Surface Mount"
J3: "Modular Connectors / Ethernet Connectors WR-MJ Mod Jk 8P8C Solder Tab w/Mylar"
J4: "WURTH ELEKTRONIK 	692121430000  USB Connector, USB Type A, USB 3.0, Receptacle, 9 Ways, PCB Mount, Vertical"
J5: library part CON-Molex-67910-5700, "PCIe Mini Card Holder 4mm"
J6: library part WE_653104131822, "HEADER 4POS MALE HORIZ 1.25MM SMD"
L1: "3.3 µH, ± 20%, Shielded, 0.02 ohm, 8 A"
L2 L4: "FERRITE BEAD, 0.025OHM, 3A, 0603"
L3: "WURTH ELEKTRONIK - 742792022 - FERRITE BEAD, 0.05OHM, 2A, 0805"
L5 L9 L10 L11 L13: "Common mode choke"
L6: "MURATA 	BLM18EG221SN1D  FERRITE BEAD, 0.05OHM, 2A, 0603"
L7 L12: "MURATA 	BLM18PG330SN1D  FERRITE BEAD, 0.025OHM, 3A, 0603"
L8: "INDUCTOR, 2.2 µH, ± 30%, 1212, 90 MHz, 0.073 ohm"
LED2: library part LED_R, "LED Red 0603 case"
M1 M2 M3 M4: library part WE_9774110360, "M3x11.6"
M5: library part Nvidia-TX1-Model, "TX1 module"
M6 M7: library part WE_9774030360, "M3x3"
ON/OFF REC: "E-SWITCH  TL3340AF160QG  SWITCH, TACTILE SPST 50mA, SMD GULL WING"
R1: library part R_1M_0603, "SMT Resistor 1M 0603"
R2 R4 R12 R24 R28 R33 R37 R44 R71 R72: library part R_0R_0603, "SMT Resistor 0R 0603"
R3 R20 R22: library part R_4k7_0603, "SMT Resistor 4k7 0603"
R5: library part R_2R_0603, "SMT Resistor 2R 0603"
R6 R18: library part R_470R_0603, "SMT Resistor 470R 0603"
R7: library part R_54k9_0603, "SMT Resistor 54k9 0603"
R8: library part R_316k_0603, "SMT Resistor 316k 0603"
R9 R10 R11 R19 R21 R32 R34 R36 R38 R39 R45 R46: library part R_10k_0603, "SMT Resistor 10k 0603"
R13: library part R_47k_0603, "SMT Resistor 47k 0603"
R14 R15 R16 R17: library part R_75R_0603, "SMT Resistor 75R 0603"
R23: library part R_100k_0603, "SMT Resistor 100k 0603"
R25: library part R_10k_0402, "SMT Resistor 0402"
R26 R42 R43: library part R_2k2_0603, "SMT Resistor 2k2 0603"
R27: library part R_13k_0603, "SMT Resistor 13k 0603"
R29 R40 R41: library part R_22R_0603, "SMT Resistor 22R 0603"
R30 R47 R48: library part R_100R_0603, "SMT Resistor 100R 0603"
R31 R35: library part R_330R_0603, "SMT Resistor 330R 0603"
R49 R50 R51 R52 R53 R55 R56 R57 R58 R59 R61 R62 R63 R64 R65 R67 R68 R69 R70: library part R_2k2_0402, "RES, 2k2, 0402, 5%"
R54 R60 R66: library part R_0R_0402, "SMT Resistor 0402"
T1: library part Wurth-749020010A, "LAN TRANSFORMER, 10/100/1000 BASE-T"
T2: "MOSFET, N CH, 60V, 0.2A"
T3 T4 T5: "MOSFET Transistor, N Channel, 6.8 A, 20 V, 0.016 ohm, 4.5 V"
T6 T7: library part BSS138, "MOSFET, N CH, 60V, 0.2A"
TP1 TP2 TP3 TP4 TP5 TP6 TP9 TP12 TP13 TP14: library part TP-R-2, "Testpad, round, 2mm"
X1 X2: library part "Micro USB A/B TH Vert", "Micro USB A/B TH Vertical"

## Via types
v1: diameter 21.65, hole 7.87, Component Side to Solder Side, tented both sides, 463 vias
v2: diameter 23.62, hole 9.84, Component Side to Solder Side, tented both sides, 102 vias
v3: diameter 21.65, hole 7.87, Component Side to Solder Side, 96 vias
v4: diameter 19.68, hole 7.87, Component Side to Solder Side, 1 vias
v5: diameter 23.62, hole 9.84, Component Side to Solder Side, 1 vias